# KiCad board output.Panel_R0.5.1_300x300_2layer_step1_Modified.kicad_pcb (continued)
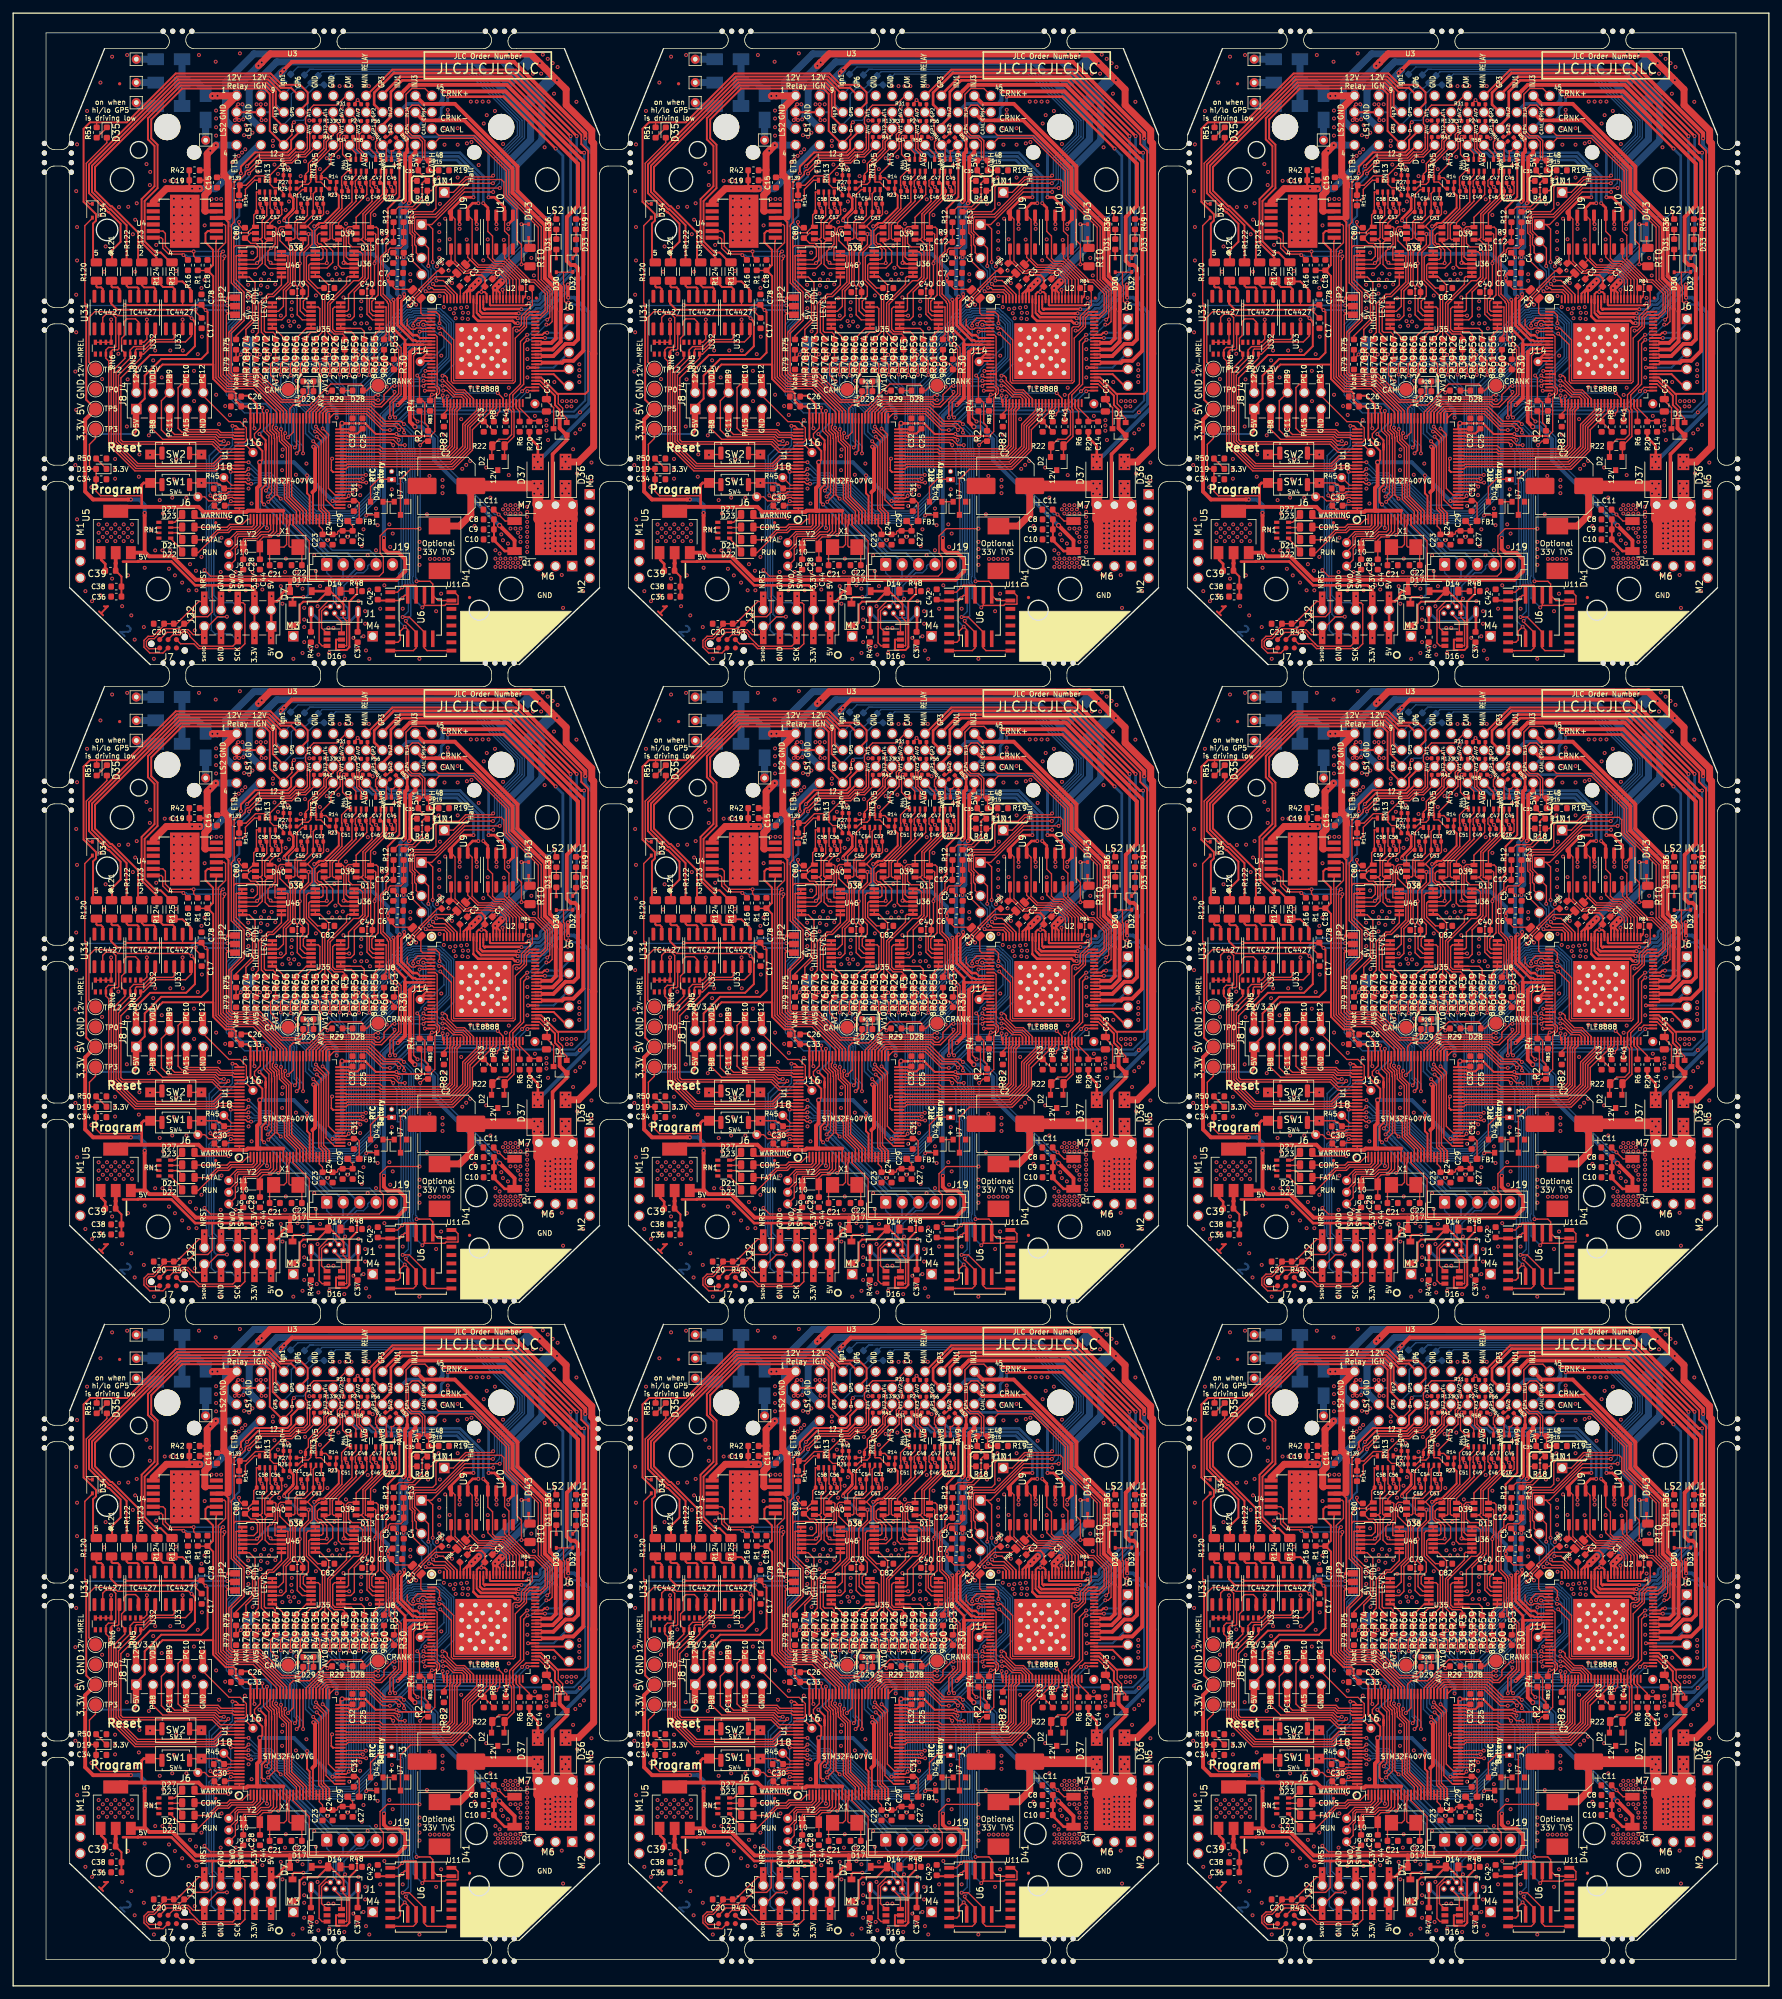
[diagram p0: board, top side]
## Routing (per net, layer and track width the routed paths; a pad name or vN(x,y) marks a point on that pad's centre or on a via; arc(x,y) is an arc through that point) (continued)
/LINBUS: length 286.5
  Top w0.203: v1(162.3,261.8) 163.3,261.8 R10#2.2 ; U3#2.LIN1 151.96,272.75 153.9,274.7 159.24,274.7 159.64,274.3 159.64,272.15 161.6,270.19 161.6,270.18 ; v1(159.43,257.93) 159.5,257.86 U2#2.82 ; U2#3.82 244.5,257.86 v1(244.43,257.93) ; R10#3.2 248.3,261.8 v1(247.3,261.8) ; U3#3.LIN1 236.96,272.75 238.9,274.7 244.24,274.7 244.64,274.3 244.64,272.15 246.6,270.19 246.6,270.18 ; v1(247.3,164.8) 248.3,164.8 R10#5.2 ; v1(244.43,160.93) 244.5,160.86 U2#5.82 ; U3#5.LIN1 236.96,175.75 238.9,177.7 244.24,177.7 244.64,177.3 244.64,175.15 246.6,173.19 246.6,173.18 ; v1(77.3,164.8) 78.3,164.8 R10#4.2 ; U3#4.LIN1 66.96,175.75 68.9,177.7 74.24,177.7 74.64,177.3 74.64,175.15 76.6,173.19 76.6,173.18 ; v1(74.43,160.93) 74.5,160.86 U2#4.82 ; U2#6.82 159.5,160.86 v1(159.43,160.93) ; R10#6.2 163.3,164.8 v1(162.3,164.8) ; U3#6.LIN1 151.96,175.75 153.9,177.7 159.24,177.7 159.64,177.3 159.64,175.15 161.6,173.19 161.6,173.18 ; U3#8.LIN1 66.96,78.75 68.9,80.7 74.24,80.7 74.64,80.3 74.64,78.15 76.6,76.19 76.6,76.18 ; R10#7.2 78.3,67.8 v1(77.3,67.8) ; U2#7.82 74.5,63.86 v1(74.43,63.93) ; v1(159.43,63.93) 159.5,63.86 U2#9.82 ; v1(162.3,67.8) 163.3,67.8 R10#9.2 ; 161.6,76.18 161.6,76.19 159.64,78.15 159.64,80.3 159.24,80.7 153.9,80.7 151.96,78.75 U3#9.LIN1 ; U2#8.82 244.5,63.86 v1(244.43,63.93) ; 246.6,76.18 246.6,76.19 244.64,78.15 244.64,80.3 244.24,80.7 238.9,80.7 236.96,78.75 U3#7.LIN1 ; R10#8.2 248.3,67.8 v1(247.3,67.8) ; U3.LIN1 66.96,272.75 68.9,274.7 74.24,274.7 74.64,274.3 74.64,272.15 76.6,270.19 76.6,270.18 ; R10.2 78.3,261.8 v1(77.3,261.8) ; U2.82 74.5,257.86 v1(74.43,257.93)
  Top w0.216: v1(162.3,261.8) 162.3,264.8 161.6,265.5 161.6,270.18 ; v1(247.3,261.8) 247.3,264.8 246.6,265.5 246.6,270.18 ; 246.6,173.18 246.6,168.5 247.3,167.8 v1(247.3,164.8) ; v1(77.3,164.8) 77.3,167.8 76.6,168.5 76.6,173.18 ; v1(162.3,164.8) 162.3,167.8 161.6,168.5 161.6,173.18 ; v1(77.3,67.8) 77.3,70.8 76.6,71.5 76.6,76.18 ; 161.6,76.18 161.6,71.5 162.3,70.8 v1(162.3,67.8) ; 246.6,76.18 246.6,71.5 247.3,70.8 v1(247.3,67.8) ; 76.6,270.18 76.6,265.5 77.3,264.8 v1(77.3,261.8)
  Bottom w0.203: v1(159.43,257.93) 159.43,258.13 160.3,259 160.3,260.2 161.9,261.8 v1(162.3,261.8) ; v1(244.43,257.93) 244.43,258.13 245.3,259 245.3,260.2 246.9,261.8 v1(247.3,261.8) ; v1(247.3,164.8) 246.9,164.8 245.3,163.2 245.3,162 244.43,161.13 v1(244.43,160.93) ; v1(74.43,160.93) 74.43,161.13 75.3,162 75.3,163.2 76.9,164.8 v1(77.3,164.8) ; v1(159.43,160.93) 159.43,161.13 160.3,162 160.3,163.2 161.9,164.8 v1(162.3,164.8) ; v1(74.43,63.93) 74.43,64.13 75.3,65 75.3,66.2 76.9,67.8 v1(77.3,67.8) ; v1(159.43,63.93) 159.43,64.13 160.3,65 160.3,66.2 161.9,67.8 v1(162.3,67.8) ; v1(244.43,63.93) 244.43,64.13 245.3,65 245.3,66.2 246.9,67.8 v1(247.3,67.8) ; v1(74.43,257.93) 74.43,258.13 75.3,259 75.3,260.2 76.9,261.8 v1(77.3,261.8)
/LS1: length 848.1
  Top w0.305: v1(154.7,258.2) 154,257.5 U2#2.93 ; v1(154.7,258.2) 154.35,258.2 153.5,257.35 U2#2.94 ; v1(154.7,258.2) 154.5,258 U2#2.92 ; v1(239.7,258.2) 239,257.5 U2#3.93 ; v1(239.7,258.2) 239.5,258 U2#3.92 ; v1(239.7,258.2) 239.35,258.2 238.5,257.35 U2#3.94 ; v1(69.7,161.2) 69,160.5 U2#4.93 ; v1(69.7,161.2) 69.35,161.2 68.5,160.35 U2#4.94 ; v1(69.7,161.2) 69.5,161 U2#4.92 ; v1(154.7,161.2) 154,160.5 U2#6.93 ; v1(154.7,161.2) 154.5,161 U2#6.92 ; v1(154.7,161.2) 154.35,161.2 153.5,160.35 U2#6.94 ; v1(239.7,161.2) 239,160.5 U2#5.93 ; v1(239.7,161.2) 239.5,161 U2#5.92 ; v1(239.7,161.2) 239.35,161.2 238.5,160.35 U2#5.94 ; v1(154.7,64.2) 154,63.5 U2#9.93 ; v1(154.7,64.2) 154.5,64 U2#9.92 ; v1(154.7,64.2) 154.35,64.2 153.5,63.35 U2#9.94 ; v1(239.7,64.2) 239.5,64 U2#8.92 ; v1(239.7,64.2) 239,63.5 U2#8.93 ; v1(239.7,64.2) 239.35,64.2 238.5,63.35 U2#8.94 ; U2#7.92 69.5,64 v1(69.7,64.2) ; v1(69.7,64.2) 69.35,64.2 68.5,63.35 U2#7.94 ; v1(69.7,64.2) 69,63.5 U2#7.93 ; U2.93 69,257.5 v1(69.7,258.2) ; v1(69.7,258.2) 69.35,258.2 68.5,257.35 U2.94 ; v1(69.7,258.2) 69.5,258 U2.92
  Top w1.067: v1(154.7,258.2) v1(155.8,259.3) ; v1(239.7,258.2) v1(240.8,259.3) ; v1(69.7,161.2) v1(70.8,162.3) ; v1(154.7,161.2) v1(155.8,162.3) ; v1(239.7,161.2) v1(240.8,162.3) ; v1(154.7,64.2) v1(155.8,65.3) ; v1(239.7,64.2) v1(240.8,65.3) ; v1(69.7,64.2) v1(70.8,65.3) ; v1(69.7,258.2) v1(70.8,259.3)
  Bottom w0.406: D15#2.2 163.1,286.1 162.4,285.4 ; D15#3.2 248.1,286.1 247.4,285.4 ; D15#4.2 78.1,189.1 77.4,188.4 ; D15#6.2 163.1,189.1 162.4,188.4 ; D15#5.2 248.1,189.1 247.4,188.4 ; D15#9.2 163.1,92.1 162.4,91.4 ; D15#8.2 248.1,92.1 247.4,91.4 ; D15#7.2 78.1,92.1 77.4,91.4 ; 77.4,285.4 78.1,286.1 D15.2
  Bottom w1.067: 122.68,282.43 120.98,284.13 120.98,284.33 120.9,284.4 120.9,288.4 125.09,292.59 155.21,292.59 163.7,284.1 163.7,280.8 160.1,277.2 160.1,271.9 161.31,270.69 161.31,264.81 v1(154.7,258.2) ; 207.68,282.43 205.98,284.13 205.98,284.33 205.9,284.4 205.9,288.4 210.09,292.59 240.21,292.59 248.7,284.1 248.7,280.8 245.1,277.2 245.1,271.9 246.31,270.69 246.31,264.81 v1(239.7,258.2) ; 37.68,185.43 35.98,187.13 35.98,187.33 35.9,187.4 35.9,191.4 40.09,195.59 70.21,195.59 78.7,187.1 78.7,183.8 75.1,180.2 75.1,174.9 76.31,173.69 76.31,167.81 v1(69.7,161.2) ; 122.68,185.43 120.98,187.13 120.98,187.33 120.9,187.4 120.9,191.4 125.09,195.59 155.21,195.59 163.7,187.1 163.7,183.8 160.1,180.2 160.1,174.9 161.31,173.69 161.31,167.81 v1(154.7,161.2) ; 207.68,185.43 205.98,187.13 205.98,187.33 205.9,187.4 205.9,191.4 210.09,195.59 240.21,195.59 248.7,187.1 248.7,183.8 245.1,180.2 245.1,174.9 246.31,173.69 246.31,167.81 v1(239.7,161.2) ; 122.68,88.43 120.98,90.13 120.98,90.33 120.9,90.4 120.9,94.4 125.09,98.59 155.21,98.59 163.7,90.1 163.7,86.8 160.1,83.2 160.1,77.9 161.31,76.69 161.31,70.81 v1(154.7,64.2) ; 207.68,88.43 205.98,90.13 205.98,90.33 205.9,90.4 205.9,94.4 210.09,98.59 240.21,98.59 248.7,90.1 248.7,86.8 245.1,83.2 245.1,77.9 246.31,76.69 246.31,70.81 v1(239.7,64.2) ; v1(69.7,64.2) 76.31,70.81 76.31,76.69 75.1,77.9 75.1,83.2 78.7,86.8 78.7,90.1 70.21,98.59 40.09,98.59 35.9,94.4 35.9,90.4 35.98,90.33 35.98,90.13 37.68,88.43 ; 37.68,282.43 35.98,284.13 35.98,284.33 35.9,284.4 35.9,288.4 40.09,292.59 70.21,292.59 78.7,284.1 78.7,280.8 75.1,277.2 75.1,271.9 76.31,270.69 76.31,264.81 v1(69.7,258.2)
  vias: v1(70.25,258.75) v1(70.25,161.75) v1(70.25,64.75) v1(155.25,258.75) v1(155.25,161.75) v1(155.25,64.75) v1(240.25,258.75) v1(240.25,161.75) v1(240.25,64.75)
/LS2: length 962
  Top w0.216: v1(167.35,269.8) 167.4,269.75 167.4,268.69 ; v1(252.35,269.8) 252.4,269.75 252.4,268.69 ; v1(82.35,172.8) 82.4,172.75 82.4,171.69 ; v1(167.35,172.8) 167.4,172.75 167.4,171.69 ; v1(252.35,172.8) 252.4,172.75 252.4,171.69 ; v1(167.35,75.8) 167.4,75.75 167.4,74.69 ; v1(252.35,75.8) 252.4,75.75 252.4,74.69 ; v1(82.35,75.8) 82.4,75.75 82.4,74.69 ; v1(82.35,269.8) 82.4,269.75 82.4,268.69
  Top w0.305: v1(158.3,258.2) 158.5,258 U2#2.84 ; v1(158.3,258.2) 159,257.5 U2#2.83 ; v1(158.3,258.2) 158,257.9 U2#2.85 ; v1(243.3,258.2) 243,257.9 U2#3.85 ; v1(243.3,258.2) 243.5,258 U2#3.84 ; v1(243.3,258.2) 244,257.5 U2#3.83 ; v1(73.3,161.2) 73.5,161 U2#4.84 ; v1(73.3,161.2) 74,160.5 U2#4.83 ; v1(73.3,161.2) 73,160.9 U2#4.85 ; v1(158.3,161.2) 158,160.9 U2#6.85 ; v1(158.3,161.2) 158.5,161 U2#6.84 ; v1(158.3,161.2) 159,160.5 U2#6.83 ; U2#5.83 244,160.5 v1(243.3,161.2) ; v1(243.3,161.2) 243,160.9 U2#5.85 ; v1(243.3,161.2) 243.5,161 U2#5.84 ; U2#9.85 158,63.9 v1(158.3,64.2) ; U2#9.83 159,63.5 v1(158.3,64.2) ; v1(158.3,64.2) 158.5,64 U2#9.84 ; v1(243.3,64.2) 243,63.9 U2#8.85 ; v1(243.3,64.2) 243.5,64 U2#8.84 ; v1(243.3,64.2) 244,63.5 U2#8.83 ; v1(73.3,64.2) 73.5,64 U2#7.84 ; v1(73.3,64.2) 73,63.9 U2#7.85 ; v1(73.3,64.2) 74,63.5 U2#7.83 ; U2.83 74,257.5 v1(73.3,258.2) ; U2.84 73.5,258 v1(73.3,258.2) ; U2.85 73,257.9 v1(73.3,258.2)
  Top w1.067: 159.21,259.15 159.21,259.11 v1(158.3,258.2) ; v1(243.3,258.2) 244.21,259.11 244.21,259.15 ; 74.21,162.15 74.21,162.11 v1(73.3,161.2) ; v1(158.3,161.2) 159.21,162.11 159.21,162.15 ; 244.21,162.15 244.21,162.11 v1(243.3,161.2) ; 159.21,65.15 159.21,65.11 v1(158.3,64.2) ; 244.21,65.15 244.21,65.11 v1(243.3,64.2) ; 74.21,65.15 74.21,65.11 v1(73.3,64.2) ; v1(73.3,258.2) 74.21,259.11 74.21,259.15
  Bottom w0.216: v1(167.35,269.8) 166.6,269.05 163.3,269.05 ; 248.3,269.05 251.6,269.05 v1(252.35,269.8) ; v1(82.35,172.8) 81.6,172.05 78.3,172.05 ; 163.3,172.05 166.6,172.05 v1(167.35,172.8) ; 248.3,172.05 251.6,172.05 v1(252.35,172.8) ; 163.3,75.05 166.6,75.05 v1(167.35,75.8) ; 248.3,75.05 251.6,75.05 v1(252.35,75.8) ; v1(82.35,75.8) 81.6,75.05 78.3,75.05 ; v1(82.35,269.8) 81.6,269.05 78.3,269.05
  Bottom w0.406: 161.4,290.7 160.69,289.99 D20#2.2 ; 246.4,290.7 245.69,289.99 D20#3.2 ; 76.4,193.7 75.69,192.99 D20#4.2 ; 161.4,193.7 160.69,192.99 D20#6.2 ; 246.4,193.7 245.69,192.99 D20#5.2 ; D20#9.2 160.69,95.99 161.4,96.7 ; 246.4,96.7 245.69,95.99 D20#8.2 ; 76.4,96.7 75.69,95.99 D20#7.2 ; 76.4,290.7 75.69,289.99 D20.2
  Bottom w1.067: 159.5,259.4 159.5,260.6 163.3,264.4 163.3,270.8 161.4,272.7 161.4,276.7 165.4,280.7 165.4,286.7 161.4,290.7 158.31,293.81 121.61,293.81 117.3,289.5 117.3,283.73 118.62,282.41 ; v1(158.3,258.2) v1(159.4,259.3) ; 244.5,259.4 244.5,260.6 248.3,264.4 248.3,270.8 246.4,272.7 246.4,276.7 250.4,280.7 250.4,286.7 246.4,290.7 243.31,293.81 206.61,293.81 202.3,289.5 202.3,283.73 203.62,282.41 ; v1(243.3,258.2) v1(244.4,259.3) ; 74.5,162.4 74.5,163.6 78.3,167.4 78.3,173.8 76.4,175.7 76.4,179.7 80.4,183.7 80.4,189.7 76.4,193.7 73.31,196.81 36.61,196.81 32.3,192.5 32.3,186.73 33.62,185.41 ; v1(73.3,161.2) v1(74.4,162.3) ; 159.5,162.4 159.5,163.6 163.3,167.4 163.3,173.8 161.4,175.7 161.4,179.7 165.4,183.7 165.4,189.7 161.4,193.7 158.31,196.81 121.61,196.81 117.3,192.5 117.3,186.73 118.62,185.41 ; v1(158.3,161.2) v1(159.4,162.3) ; 244.5,162.4 244.5,163.6 248.3,167.4 248.3,173.8 246.4,175.7 246.4,179.7 250.4,183.7 250.4,189.7 246.4,193.7 243.31,196.81 206.61,196.81 202.3,192.5 202.3,186.73 203.62,185.41 ; v1(243.3,161.2) v1(244.4,162.3) ; 159.5,65.4 159.5,66.6 163.3,70.4 163.3,76.8 161.4,78.7 161.4,82.7 165.4,86.7 165.4,92.7 161.4,96.7 158.31,99.81 121.61,99.81 117.3,95.5 117.3,89.73 118.62,88.41 ; v1(158.3,64.2) v1(159.4,65.3) ; 244.5,65.4 244.5,66.6 248.3,70.4 248.3,76.8 246.4,78.7 246.4,82.7 250.4,86.7 250.4,92.7 246.4,96.7 243.31,99.81 206.61,99.81 202.3,95.5 202.3,89.73 203.62,88.41 ; v1(243.3,64.2) v1(244.4,65.3) ; 74.5,65.4 74.5,66.6 78.3,70.4 78.3,76.8 76.4,78.7 76.4,82.7 80.4,86.7 80.4,92.7 76.4,96.7 73.31,99.81 36.61,99.81 32.3,95.5 32.3,89.73 33.62,88.41 ; v1(73.3,64.2) v1(74.4,65.3) ; 74.5,259.4 74.5,260.6 78.3,264.4 78.3,270.8 76.4,272.7 76.4,276.7 80.4,280.7 80.4,286.7 76.4,290.7 73.31,293.81 36.61,293.81 32.3,289.5 32.3,283.73 33.62,282.41 ; v1(73.3,258.2) v1(74.4,259.3)
  vias: v1(73.85,258.75) v1(73.85,161.75) v1(73.85,64.75) v1(158.85,258.75) v1(158.85,161.75) v1(158.85,64.75) v1(243.85,258.75) v1(243.85,161.75) v1(243.85,64.75)
/MAIN_RELAY: length 827.6
  Top w0.216: D1#2.2 169.19,238.37 168.57,238.98 168.57,239.93 167.9,240.6 167.9,241.98 167.78,242.1 ; 252.78,242.1 252.9,241.98 252.9,240.6 253.57,239.93 253.57,238.98 254.19,238.37 D1#3.2 ; 252.78,145.1 252.9,144.98 252.9,143.6 253.57,142.93 253.57,141.98 254.19,141.37 D1#5.2 ; D1#4.2 84.19,141.37 83.57,141.98 83.57,142.93 82.9,143.6 82.9,144.98 82.78,145.1 ; 167.78,145.1 167.9,144.98 167.9,143.6 168.57,142.93 168.57,141.98 169.19,141.37 D1#6.2 ; 82.78,48.1 82.9,47.98 82.9,46.6 83.57,45.93 83.57,44.98 84.19,44.37 D1#7.2 ; 167.78,48.1 167.9,47.98 167.9,46.6 168.57,45.93 168.57,44.98 169.19,44.37 D1#9.2 ; 252.78,48.1 252.9,47.98 252.9,46.6 253.57,45.93 253.57,44.98 254.19,44.37 D1#8.2 ; 82.78,242.1 82.9,241.98 82.9,240.6 83.57,239.93 83.57,238.98 84.19,238.37 D1.2
  Top w0.305: U2#2.55 165.28,244.6 167.78,242.1 172,242.1 172.44,242.54 172.44,248.54 172.45,248.55 172.45,279.05 171.4,280.1 171.4,281.49 161.5,291.4 142.67,291.4 138.75,287.49 ; U2#3.55 250.28,244.6 252.78,242.1 257,242.1 257.44,242.54 257.44,248.54 257.45,248.55 257.45,279.05 256.4,280.1 256.4,281.49 246.5,291.4 227.67,291.4 223.75,287.49 ; U2#5.55 250.28,147.6 252.78,145.1 257,145.1 257.44,145.54 257.44,151.54 257.45,151.55 257.45,182.05 256.4,183.1 256.4,184.49 246.5,194.4 227.67,194.4 223.75,190.49 ; U2#4.55 80.28,147.6 82.78,145.1 87,145.1 87.44,145.54 87.44,151.54 87.45,151.55 87.45,182.05 86.4,183.1 86.4,184.49 76.5,194.4 57.67,194.4 53.75,190.49 ; U2#6.55 165.28,147.6 167.78,145.1 172,145.1 172.44,145.54 172.44,151.54 172.45,151.55 172.45,182.05 171.4,183.1 171.4,184.49 161.5,194.4 142.67,194.4 138.75,190.49 ; U2#7.55 80.28,50.6 82.78,48.1 87,48.1 87.44,48.54 87.44,54.54 87.45,54.55 87.45,85.05 86.4,86.1 86.4,87.49 76.5,97.4 57.67,97.4 53.75,93.49 ; U2#9.55 165.28,50.6 167.78,48.1 172,48.1 172.44,48.54 172.44,54.54 172.45,54.55 172.45,85.05 171.4,86.1 171.4,87.49 161.5,97.4 142.67,97.4 138.75,93.49 ; 223.75,93.49 227.67,97.4 246.5,97.4 256.4,87.49 256.4,86.1 257.45,85.05 257.45,54.55 257.44,54.54 257.44,48.54 257,48.1 252.78,48.1 250.28,50.6 U2#8.55 ; 53.75,287.49 57.67,291.4 76.5,291.4 86.4,281.49 86.4,280.1 87.45,279.05 87.45,248.55 87.44,248.54 87.44,242.54 87,242.1 82.78,242.1 80.28,244.6 U2.55
/MCU/BOOT0: length 70.6
  Top w0.203: SW1#2.2 111.83,228.56 ; SW1#3.2 196.83,228.56 ; SW1#4.2 26.83,131.56 ; SW1#6.2 111.83,131.56 ; SW1#5.2 196.83,131.56 ; SW1#9.2 111.83,34.56 ; SW1#8.2 196.83,34.56 ; SW1#7.2 26.83,34.56 ; SW1.2 26.83,228.56
  Top w0.216: 117.18,227.72 117.18,227.72 U1#2.94 ; R45#2.1 116.46,228.35 116.18,228.35 115.98,228.56 SW1#2.2 ; SW1#3.2 200.98,228.56 201.18,228.35 201.46,228.35 R45#3.1 ; U1#3.94 202.18,227.72 202.18,227.72 ; 32.18,130.72 32.18,130.72 U1#4.94 ; R45#6.1 31.46,131.35 31.18,131.35 30.98,131.56 SW1#4.2 ; SW1#6.2 115.98,131.56 116.18,131.35 116.46,131.35 R45#5.1 ; U1#6.94 117.18,130.72 117.18,130.72 ; U1#5.94 202.18,130.72 202.18,130.72 ; R45#4.1 201.46,131.35 201.18,131.35 200.98,131.56 SW1#5.2 ; R45#8.1 116.46,34.35 116.18,34.35 115.98,34.56 SW1#9.2 ; 117.18,33.72 117.18,33.72 U1#9.94 ; U1#8.94 202.18,33.72 202.18,33.72 ; R45#7.1 201.46,34.35 201.18,34.35 200.98,34.56 SW1#8.2 ; 32.18,33.72 32.18,33.72 U1#7.94 ; SW1#7.2 30.98,34.56 31.18,34.35 31.46,34.35 R45#9.1 ; 32.18,227.72 32.18,227.72 U1.94 ; SW1.2 30.98,228.56 31.18,228.35 31.46,228.35 R45.1
  vias: v1(28.64,228.56) v1(28.64,131.56) v1(28.64,34.56) v1(113.64,228.56) v1(113.64,131.56) v1(113.64,34.56) v1(198.64,228.56) v1(198.64,131.56) v1(198.64,34.56)
/MCU/PA10: length 351
  Top w0.216: J1#2.4 132.57,209.75 131.9,209.07 131.9,206.52 D16#2.1 ; v1(123.8,225.69) 124.76,226.65 124.76,235.27 124.7,235.33 124.7,235.9 124.6,236 124.59,236 124.06,236.53 124.06,237.56 124.09,237.59 U1#2.69 ; v1(208.8,225.69) 209.76,226.65 209.76,235.27 209.7,235.33 209.7,235.9 209.6,236 209.59,236 209.06,236.53 209.06,237.56 209.09,237.59 U1#3.69 ; J1#3.4 217.57,209.75 216.9,209.07 216.9,206.52 D16#3.1 ; v1(208.8,128.69) 209.76,129.65 209.76,138.27 209.7,138.33 209.7,138.9 209.6,139 209.59,139 209.06,139.53 209.06,140.56 209.09,140.59 U1#5.69 ; J1#5.4 217.57,112.75 216.9,112.07 216.9,109.52 D16#4.1 ; v1(123.8,128.69) 124.76,129.65 124.76,138.27 124.7,138.33 124.7,138.9 124.6,139 124.59,139 124.06,139.53 124.06,140.56 124.09,140.59 U1#6.69 ; J1#6.4 132.57,112.75 131.9,112.07 131.9,109.52 D16#5.1 ; J1#4.4 47.57,112.75 46.9,112.07 46.9,109.52 D16#6.1 ; v1(38.8,128.69) 39.76,129.65 39.76,138.27 39.7,138.33 39.7,138.9 39.6,139 39.59,139 39.06,139.53 39.06,140.56 39.09,140.59 U1#4.69 ; J1#8.4 217.57,15.75 216.9,15.07 216.9,12.52 D16#7.1 ; v1(208.8,31.69) 209.76,32.65 209.76,41.27 209.7,41.33 209.7,41.9 209.6,42 209.59,42 209.06,42.53 209.06,43.56 209.09,43.59 U1#8.69 ; v1(123.8,31.69) 124.76,32.65 124.76,41.27 124.7,41.33 124.7,41.9 124.6,42 124.59,42 124.06,42.53 124.06,43.56 124.09,43.59 U1#9.69 ; J1#9.4 132.57,15.75 131.9,15.07 131.9,12.52 D16#8.1 ; v1(38.8,31.69) 39.76,32.65 39.76,41.27 39.7,41.33 39.7,41.9 39.6,42 39.59,42 39.06,42.53 39.06,43.56 39.09,43.59 U1#7.69 ; J1#7.4 47.57,15.75 46.9,15.07 46.9,12.52 D16#9.1 ; J1.4 47.57,209.75 46.9,209.07 46.9,206.52 D16.1 ; U1.69 39.09,237.59 39.06,237.56 39.06,236.53 39.59,236 39.6,236 39.7,235.9 39.7,235.33 39.76,235.27 39.76,226.65 v1(38.8,225.69)
  Bottom w0.203: 131.42,218.07 132.69,216.8 J19#2.1 ; 216.42,218.07 217.69,216.8 J19#3.1 ; J19#5.1 217.69,119.8 216.42,121.07 ; 131.42,121.07 132.69,119.8 J19#6.1 ; 46.42,121.07 47.69,119.8 J19#4.1 ; J19#8.1 217.69,22.8 216.42,24.07 ; 131.42,24.07 132.69,22.8 J19#9.1 ; J19#7.1 47.69,22.8 46.42,24.07 ; 46.42,218.07 47.69,216.8 J19.1
  Bottom w0.216: v1(123.8,225.69) 131.42,218.07 ; J19#2.1 132.69,214.89 133.71,213.88 133.71,210.22 J1#2.4 ; v1(208.8,225.69) 216.42,218.07 ; J19#3.1 217.69,214.89 218.71,213.88 218.71,210.22 J1#3.4 ; v1(208.8,128.69) 216.42,121.07 ; J19#5.1 217.69,117.89 218.71,116.88 218.71,113.22 J1#5.4 ; v1(123.8,128.69) 131.42,121.07 ; J19#6.1 132.69,117.89 133.71,116.88 133.71,113.22 J1#6.4 ; v1(38.8,128.69) 46.42,121.07 ; J19#4.1 47.69,117.89 48.71,116.88 48.71,113.22 J1#4.4 ; v1(123.8,31.69) 131.42,24.07 ; J19#9.1 132.69,20.89 133.71,19.88 133.71,16.22 J1#9.4 ; 46.42,24.07 v1(38.8,31.69) ; J19#7.1 47.69,20.89 48.71,19.88 48.71,16.22 J1#7.4 ; 216.42,24.07 v1(208.8,31.69) ; J1#8.4 218.71,16.22 218.71,19.88 217.69,20.89 J19#8.1 ; 46.42,218.07 v1(38.8,225.69) ; J19.1 47.69,214.89 48.71,213.88 48.71,210.22 J1.4
/MCU/PA13: length 456.7
  Top w0.216: 114.08,205.49 112.38,205.49 111.63,206.24 110.58,206.24 110.18,205.83 108.39,205.83 J7#2.2 ; v1(122.7,234.5) 121.7,235.47 121.7,236.02 122.59,236.91 U1#2.72 ; v1(117.51,208.21) 116.1,208.21 114.08,206.19 ; 199.08,205.49 197.38,205.49 196.63,206.24 195.58,206.24 195.18,205.83 193.39,205.83 J7#3.2 ; v1(202.51,208.21) 201.1,208.21 199.08,206.19 ; v1(207.7,234.5) 206.7,235.47 206.7,236.02 207.59,236.91 U1#3.72 ; 199.08,108.49 197.38,108.49 196.63,109.24 195.58,109.24 195.18,108.83 193.39,108.83 J7#5.2 ; v1(207.7,137.5) 206.7,138.47 206.7,139.02 207.59,139.91 U1#5.72 ; 199.08,109.19 201.1,111.21 v1(202.51,111.21) ; 114.08,108.49 112.38,108.49 111.63,109.24 110.58,109.24 110.18,108.83 108.39,108.83 J7#6.2 ; v1(117.51,111.21) 116.1,111.21 114.08,109.19 ; v1(122.7,137.5) 121.7,138.47 121.7,139.02 122.59,139.91 U1#6.72 ; 29.08,108.49 27.38,108.49 26.63,109.24 25.58,109.24 25.18,108.83 23.39,108.83 J7#4.2 ; v1(37.7,137.5) 36.7,138.47 36.7,139.02 37.59,139.91 U1#4.72 ; v1(32.51,111.21) 31.1,111.21 29.08,109.19 ; 114.08,11.49 112.38,11.49 111.63,12.24 110.58,12.24 110.18,11.83 108.39,11.83 J7#9.2 ; U1#9.72 122.59,42.91 121.7,42.02 121.7,41.47 v1(122.7,40.5) ; 114.08,12.19 116.1,14.21 v1(117.51,14.21) ; 29.08,11.49 27.38,11.49 26.63,12.24 25.58,12.24 25.18,11.83 23.39,11.83 J7#7.2 ; v1(37.7,40.5) 36.7,41.47 36.7,42.02 37.59,42.91 U1#7.72 ; v1(32.51,14.21) 31.1,14.21 29.08,12.19 ; 199.08,11.49 197.38,11.49 196.63,12.24 195.58,12.24 195.18,11.83 193.39,11.83 J7#8.2 ; U1#8.72 207.59,42.91 206.7,42.02 206.7,41.47 v1(207.7,40.5) ; 199.08,12.19 201.1,14.21 v1(202.51,14.21) ; U1.72 37.59,236.91 36.7,236.02 36.7,235.47 v1(37.7,234.5) ; 29.08,206.19 31.1,208.21 v1(32.51,208.21) ; 29.08,205.49 27.38,205.49 26.63,206.24 25.58,206.24 25.18,205.83 23.39,205.83 J7.2
  Bottom w0.216: v1(122.7,234.5) 119.2,234.5 116,231.3 116,228.66 116.68,227.99 ; 116.68,227.99 116.63,228.03 ; 116.68,227.99 116.68,226.34 116.46,226.12 116.45,226.12 115.14,224.82 115.14,211.24 115.56,210.82 115.56,208.58 116,208.14 117.01,208.14 117.08,208.21 v1(117.51,208.21) ; 201.68,227.99 201.63,228.03 ; 201.68,227.99 201,228.66 201,231.3 204.2,234.5 v1(207.7,234.5) ; 201.68,227.99 201.68,226.34 201.46,226.12 201.45,226.12 200.14,224.82 200.14,211.24 200.56,210.82 200.56,208.58 201,208.14 202.01,208.14 202.08,208.21 v1(202.51,208.21) ; 201.68,130.99 201,131.66 201,134.3 204.2,137.5 v1(207.7,137.5) ; 201.68,130.99 201.63,131.03 ; 201.68,130.99 201.68,129.34 201.46,129.12 201.45,129.12 200.14,127.82 200.14,114.24 200.56,113.82 200.56,111.58 201,111.14 202.01,111.14 202.08,111.21 v1(202.51,111.21) ; 116.68,130.99 116.63,131.03 ; 116.68,130.99 116,131.66 116,134.3 119.2,137.5 v1(122.7,137.5) ; 116.68,130.99 116.68,129.34 116.46,129.12 116.45,129.12 115.14,127.82 115.14,114.24 115.56,113.82 115.56,111.58 116,111.14 117.01,111.14 117.08,111.21 v1(117.51,111.21) ; v1(37.7,137.5) 34.2,137.5 31,134.3 31,131.66 31.68,130.99 ; 31.68,130.99 31.63,131.03 ; 31.68,130.99 31.68,129.34 31.46,129.12 31.45,129.12 30.14,127.82 30.14,114.24 30.56,113.82 30.56,111.58 31,111.14 32.01,111.14 32.08,111.21 v1(32.51,111.21) ; 116.68,33.99 116.63,34.03 ; 116.68,33.99 116,34.66 116,37.3 119.2,40.5 v1(122.7,40.5) ; 116.68,33.99 116.68,32.34 116.46,32.12 116.45,32.12 115.14,30.82 115.14,17.24 115.56,16.82 115.56,14.58 116,14.14 117.01,14.14 117.08,14.21 v1(117.51,14.21) ; v1(37.7,40.5) 34.2,40.5 31,37.3 31,34.66 31.68,33.99 ; 31.68,33.99 31.63,34.03 ; 31.68,33.99 31.68,32.34 31.46,32.12 31.45,32.12 30.14,30.82 30.14,17.24 30.56,16.82 30.56,14.58 31,14.14 32.01,14.14 32.08,14.21 v1(32.51,14.21) ; 201.68,33.99 201,34.66 201,37.3 204.2,40.5 v1(207.7,40.5) ; 201.68,33.99 201.63,34.03 ; 201.68,33.99 201.68,32.34 201.46,32.12 201.45,32.12 200.14,30.82 200.14,17.24 200.56,16.82 200.56,14.58 201,14.14 202.01,14.14 202.08,14.21 v1(202.51,14.21) ; 31.68,227.99 31.63,228.03 ; 31.68,227.99 31.68,226.34 31.46,226.12 31.45,226.12 30.14,224.82 30.14,211.24 30.56,210.82 30.56,208.58 31,208.14 32.01,208.14 32.08,208.21 v1(32.51,208.21) ; 31.68,227.99 31,228.66 31,231.3 34.2,234.5 v1(37.7,234.5)
  vias: v1(29.15,204.99) v1(29.15,107.99) v1(29.15,10.99) v1(114.15,204.99) v1(114.15,107.99) v1(114.15,10.99) v1(199.15,204.99) v1(199.15,107.99) v1(199.15,10.99)
/MCU/PA14: length 478.6
  Top w0.216: U1#2.76 118.89,237.24 v1(118.36,237.24) ; J7#2.4 109.29,205.47 110.34,205.47 110.34,205.48 110.74,205.87 111.46,205.87 111.86,205.48 111.86,205.25 113,204.1 113,204.09 113.37,203.73 118.4,203.73 119.16,204.49 119.16,205.49 ; U1#3.76 203.89,237.24 v1(203.36,237.24) ; J7#3.4 194.29,205.47 195.34,205.47 195.34,205.48 195.74,205.87 196.46,205.87 196.86,205.48 196.86,205.25 198,204.1 198,204.09 198.37,203.73 203.4,203.73 204.16,204.49 204.16,205.49 ; U1#5.76 203.89,140.24 v1(203.36,140.24) ; J7#5.4 194.29,108.47 195.34,108.47 195.34,108.48 195.74,108.87 196.46,108.87 196.86,108.48 196.86,108.25 198,107.1 198,107.09 198.37,106.73 203.4,106.73 204.16,107.49 204.16,108.49 ; U1#6.76 118.89,140.24 v1(118.36,140.24) ; J7#6.4 109.29,108.47 110.34,108.47 110.34,108.48 110.74,108.87 111.46,108.87 111.86,108.48 111.86,108.25 113,107.1 113,107.09 113.37,106.73 118.4,106.73 119.16,107.49 119.16,108.49 ; U1#4.76 33.89,140.24 v1(33.36,140.24) ; J7#4.4 24.29,108.47 25.34,108.47 25.34,108.48 25.74,108.87 26.46,108.87 26.86,108.48 26.86,108.25 28.01,107.1 28.01,107.09 28.37,106.73 33.4,106.73 34.16,107.49 34.16,108.49 ; U1#9.76 118.89,43.24 v1(118.36,43.24) ; J7#9.4 109.29,11.47 110.34,11.47 110.34,11.48 110.74,11.87 111.46,11.87 111.86,11.48 111.86,11.25 113,10.1 113,10.09 113.37,9.73 118.4,9.73 119.16,10.49 119.16,11.49 ; U1#7.76 33.89,43.24 v1(33.36,43.24) ; J7#7.4 24.29,11.47 25.34,11.47 25.34,11.48 25.74,11.87 26.46,11.87 26.86,11.48 26.86,11.25 28.01,10.1 28.01,10.09 28.37,9.73 33.4,9.73 34.16,10.49 34.16,11.49 ; J7#8.4 194.29,11.47 195.34,11.47 195.34,11.48 195.74,11.87 196.46,11.87 196.86,11.48 196.86,11.25 198,10.1 198,10.09 198.37,9.73 203.4,9.73 204.16,10.49 204.16,11.49 ; v1(203.36,43.24) 203.89,43.24 U1#8.76 ; v1(33.36,237.24) 33.89,237.24 U1.76 ; 34.16,205.49 34.16,204.49 33.4,203.73 28.37,203.73 28.01,204.09 28.01,204.1 26.86,205.25 26.86,205.48 26.46,205.87 25.74,205.87 25.34,205.48 25.34,205.47 24.29,205.47 J7.4
  Bottom w0.216: 119.14,204.54 119.16,204.54 ; 119.14,204.54 119.14,204.54 119.16,204.56 v1(119.16,204.99) ; 119.14,204.54 118.06,205.62 115.67,205.62 115.14,206.15 115.14,210.68 114.77,211.05 114.77,224.97 116.29,226.49 116.31,226.49 116.31,227.83 115.56,228.58 115.56,231.47 118.36,234.27 v1(118.36,237.24) ; 204.14,204.54 204.14,204.54 204.16,204.56 v1(204.16,204.99) ; 204.14,204.54 204.16,204.54 ; 204.14,204.54 203.06,205.62 200.67,205.62 200.14,206.15 200.14,210.68 199.77,211.05 199.77,224.97 201.29,226.49 201.31,226.49 201.31,227.83 200.56,228.58 200.56,231.47 203.36,234.27 v1(203.36,237.24) ; v1(204.16,107.99) 204.16,107.56 204.14,107.54 204.14,107.54 ; 204.14,107.54 204.16,107.54 ; 204.14,107.54 203.06,108.62 200.67,108.62 200.14,109.15 200.14,113.68 199.77,114.05 199.77,127.97 201.29,129.49 201.31,129.49 201.31,130.83 200.56,131.58 200.56,134.47 203.36,137.27 v1(203.36,140.24) ; 119.14,107.54 119.14,107.54 119.16,107.56 v1(119.16,107.99) ; 119.14,107.54 119.16,107.54 ; 119.14,107.54 118.06,108.62 115.67,108.62 115.14,109.15 115.14,113.68 114.77,114.05 114.77,127.97 116.29,129.49 116.31,129.49 116.31,130.83 115.56,131.58 115.56,134.47 118.36,137.27 v1(118.36,140.24) ; 34.14,107.54 34.16,107.54 ; 34.14,107.54 34.14,107.54 34.16,107.56 v1(34.16,107.99) ; 34.14,107.54 33.06,108.62 30.67,108.62 30.14,109.15 30.14,113.68 29.77,114.05 29.77,127.97 31.29,129.49 31.31,129.49 31.31,130.83 30.56,131.58 30.56,134.47 33.36,137.27 v1(33.36,140.24) ; 119.14,10.54 119.14,10.54 119.16,10.56 v1(119.16,10.99) ; 119.14,10.54 118.06,11.62 115.67,11.62 115.14,12.15 115.14,16.68 114.77,17.05 114.77,30.97 116.29,32.49 116.31,32.49 116.31,33.83 115.56,34.58 115.56,37.47 118.36,40.27 v1(118.36,43.24) ; 119.14,10.54 119.16,10.54 ; 34.14,10.54 34.14,10.54 34.16,10.56 v1(34.16,10.99) ; 34.14,10.54 34.16,10.54 ; 34.14,10.54 33.06,11.62 30.67,11.62 30.14,12.15 30.14,16.68 29.77,17.05 29.77,30.97 31.29,32.49 31.31,32.49 31.31,33.83 30.56,34.58 30.56,37.47 33.36,40.27 v1(33.36,43.24) ; v1(204.16,10.99) 204.16,10.56 204.14,10.54 204.14,10.54 ; 204.14,10.54 204.16,10.54 ; 204.14,10.54 203.06,11.62 200.67,11.62 200.14,12.15 200.14,16.68 199.77,17.05 199.77,30.97 201.29,32.49 201.31,32.49 201.31,33.83 200.56,34.58 200.56,37.47 203.36,40.27 v1(203.36,43.24) ; 34.14,204.54 34.14,204.54 34.16,204.56 v1(34.16,204.99) ; 34.14,204.54 33.06,205.62 30.67,205.62 30.14,206.15 30.14,210.68 29.77,211.05 29.77,224.97 31.29,226.49 31.31,226.49 31.31,227.83 30.56,228.58 30.56,231.47 33.36,234.27 v1(33.36,237.24) ; 34.14,204.54 34.16,204.54